# Altium PCB SVPX_FMC_6U_SOM.PcbDoc (part 6 of 9)
Units mm, origin at the board's own origin, x right, y up, seen from the top; angles counter-clockwise.
Board outline 160.38 x 233.53 mm, 10 copper layers (Top Layer, L1, P1, L2, P2, P3, L3, P4, L4, Bottom Layer), stack 1.749 mm thick; 649 components, 1262 nets, 4113 pads, 1924 vias.
Unrouted connection lines stored in the file: 1553.
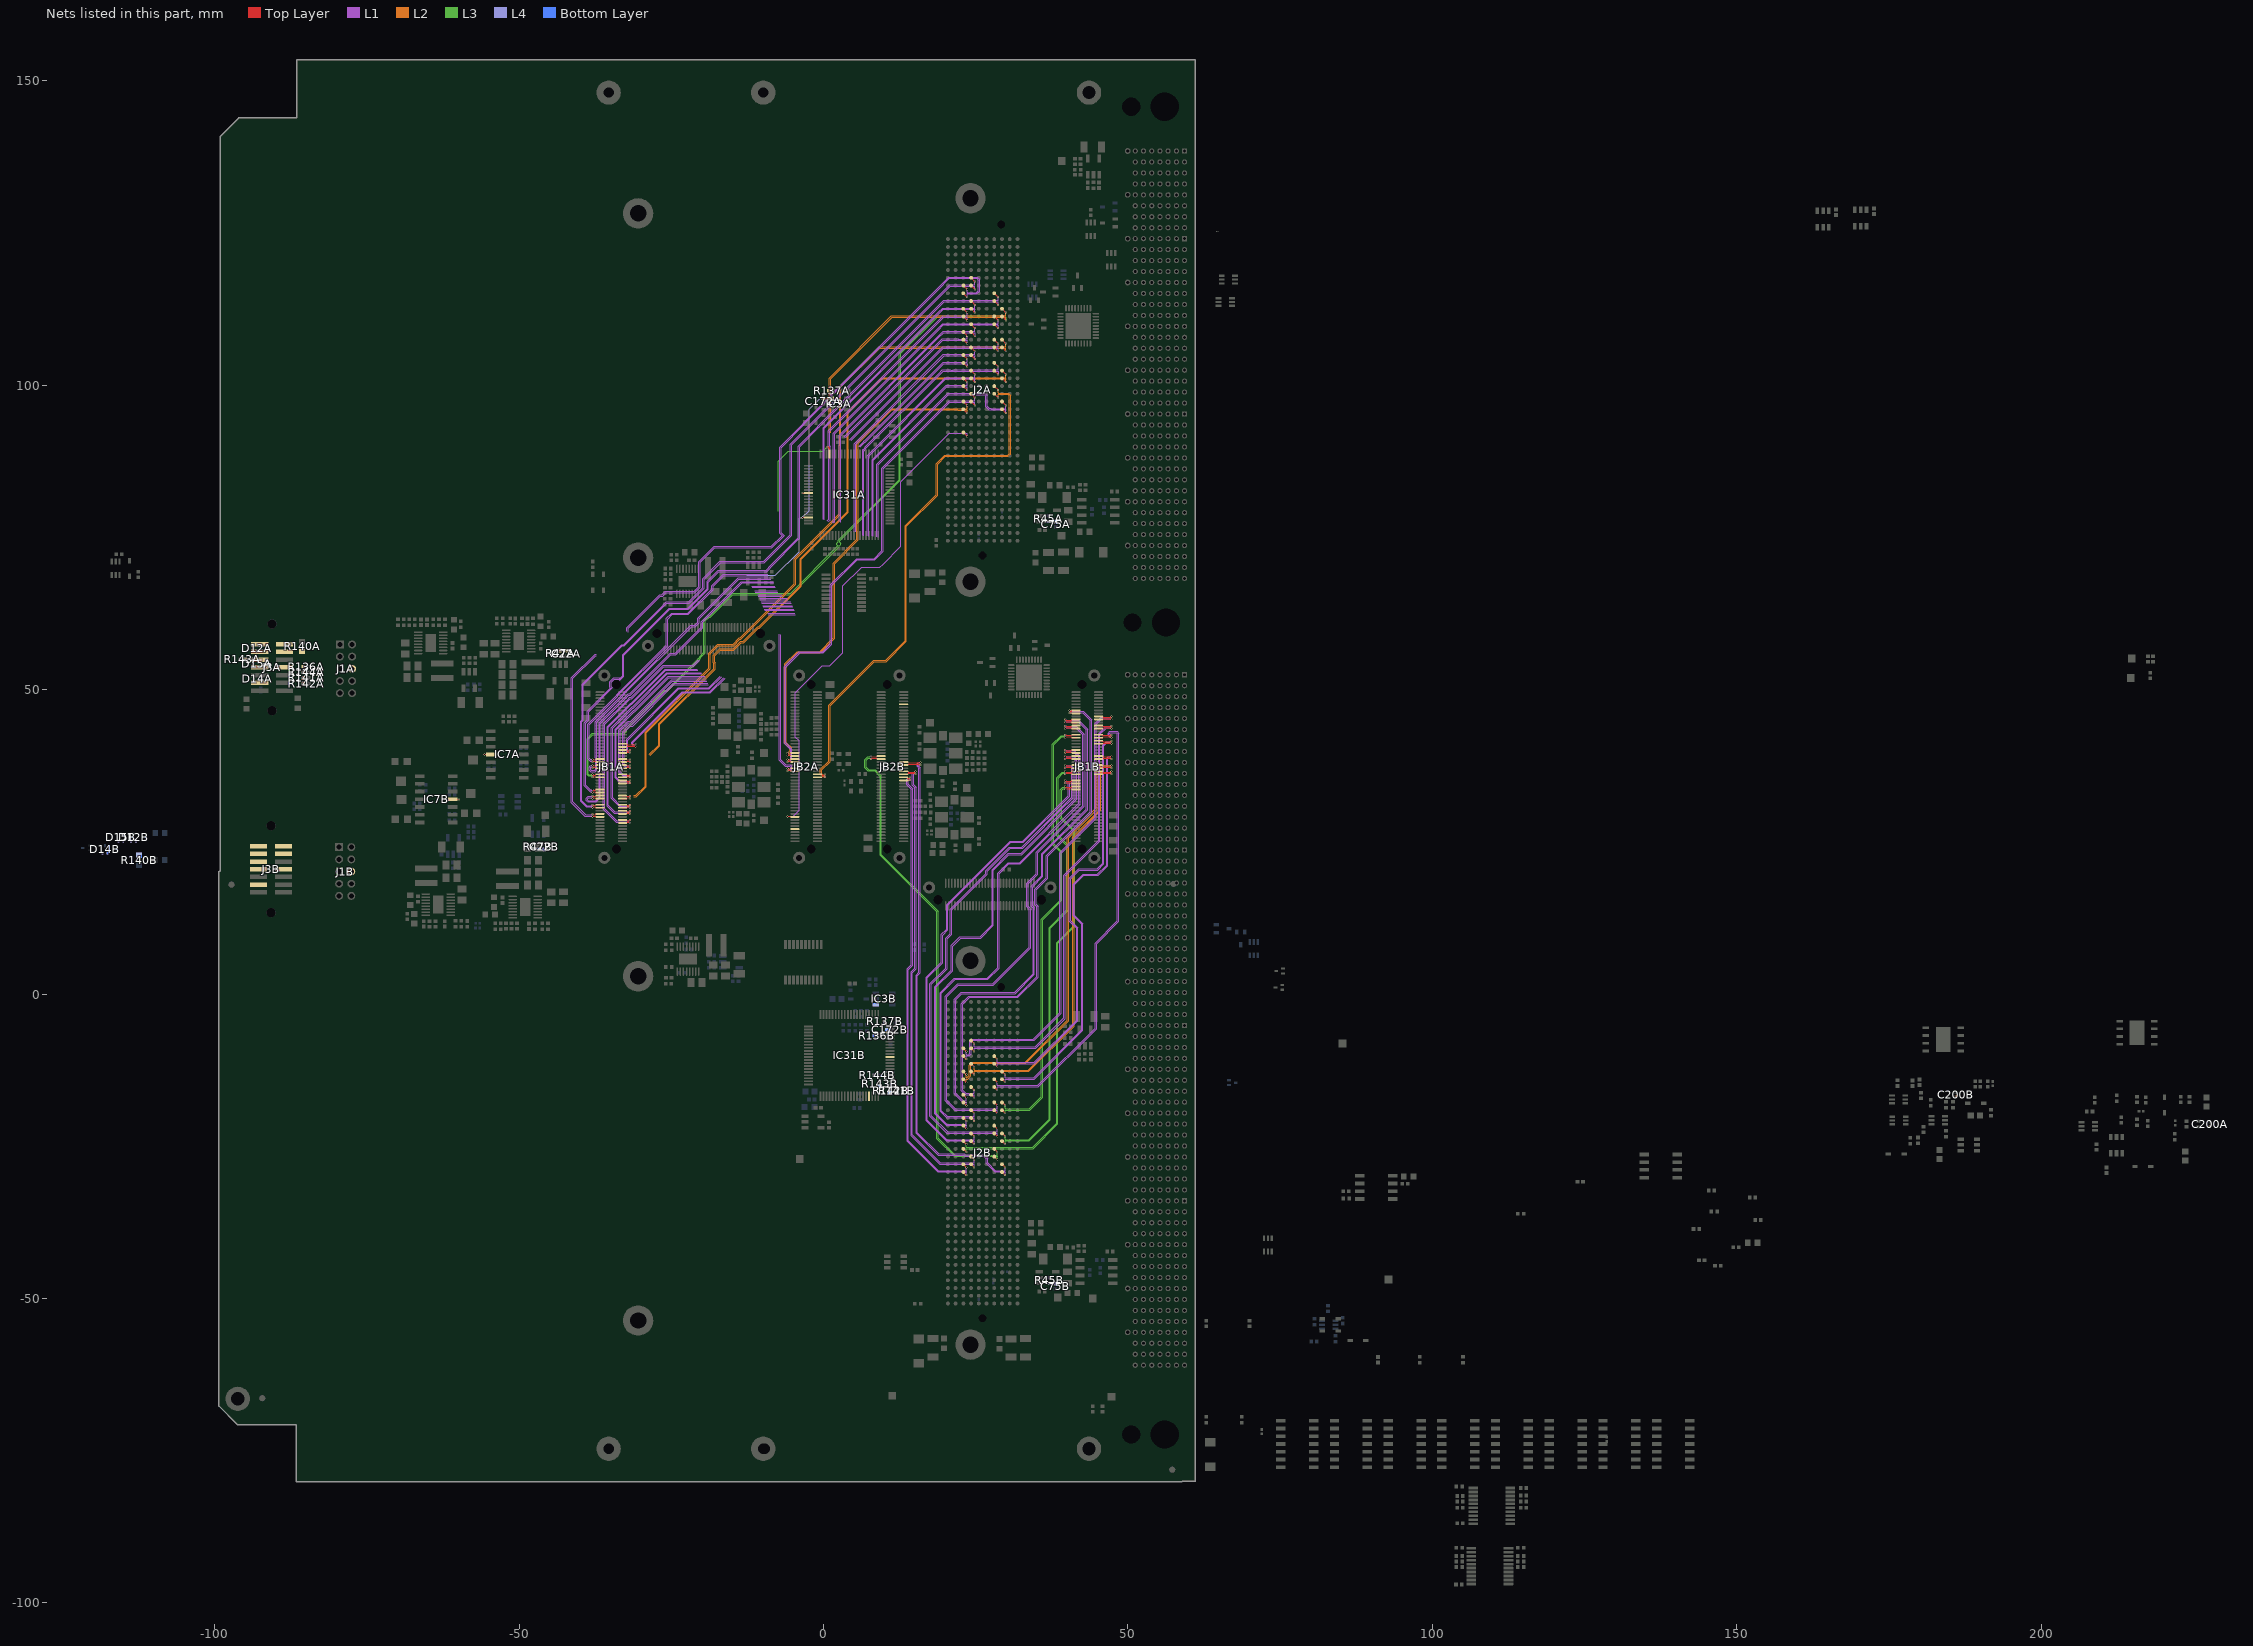
[diagram p14: the nets of this part, all layers, seen from the top]

## Via types
v1: diameter 0.32, hole 0.16, Top Layer to Bottom Layer, 654 vias
v2: diameter 0.6, hole 0.3, Top Layer to Bottom Layer, 398 vias
v3: diameter 1, hole 0.5, Top Layer to Bottom Layer, 314 vias
v4: diameter 0.3, hole 0.2, Top Layer to Bottom Layer, tented both sides, 270 vias
v5: diameter 0.6, hole 0.5, Top Layer to Bottom Layer, 248 vias
v6: diameter 0.5, hole 0.2, Top Layer to Bottom Layer, 18 vias
v7: diameter 0.3, hole 0.2, Top Layer to Bottom Layer, 18 vias
v8: diameter 0.4, hole 0.3, Top Layer to Bottom Layer, tented both sides, 4 vias

## Nets (pads, with @x,y where several pads share a name; then routed paths per layer and width w, separated by ;. In a path a pad name is that pad's centre, name@x,y a point inside that pad or via, vN(x,y) a via of type N, cw(c..) or ccw(c..) an arc to the next point about the centre after c; other vN are vias at no path point) (continued)
Imeas_P5V0A: C22A.2 IC7A.4 IC31A.17 R47A.1 | length 20.7
  Top Layer w0.127: v1(-55.702,39.345) -55.697,39.35 IC7A.4@-54.625,39.35 ; R47A.1@-43.231,56.426 -42.311,56.426 C22A.2@-42.266,56.381
  Top Layer w0.254: v1(0.559,89.789) 0.571,89.802 0.782,89.802 0.791,89.811 0.977,89.625 0.977,88.748 IC31A.17@1,88.725
  L3 w0.127: -7.442,79.273 -7.442,87.503 -5.766,89.179 -0.051,89.179 v1(0.559,89.789)
Imeas_P5V0B: C22B.2 IC7B.4 IC31B.17 R47B.1 | length 2.8
  Top Layer w0.127: IC7B.4@-60.925,31.989 -60.919,31.983 -59.897,31.983 v1(-59.893,31.979)
  Bottom Layer w0.127: R47B.1@-46.917,23.75 -45.898,23.75 C22B.2@-45.892,23.744 -45.232,23.744 v1(-45.212,23.724)
Imeas_P12V0A: C75A.2 IC31A.30 R45A.1 | length 1
  Top Layer w0.127: v1(-3.48,82.271) -3.475,82.275 IC31A.30@-2.45,82.275
Imeas_P12V0B: C75B.2 IC31B.30 R45B.1
JTAG.JTAG_REFA: C200A.1 J1A.6 JB2A.92
JTAG.JTAG_REFB: C200B.1 J1B.6 JB2B.92
JTAG_R\S\T\A: C172A.2 D14A.2 IC3A.1 IC31A.38 J3A.11 R137A.1 | length 42
  Top Layer w0.127: v1(-3.48,78.283) -3.476,78.279 -2.454,78.279 IC31A.38@-2.45,78.275 ; C172A.2@0,97.85 C172A.2@0.025,97.875 ; v1(0.025,98.425) C172A.2@0.025,97.875 ; R137A.1@0.905,99.1 0.943,99.062 0.943,98.116 IC3A.1@1.18,97.88 0.03,97.88 C172A.2@0.025,97.875
  L4 w0.127: -12.598,68.758 -7.899,68.758 -4.013,72.644 -4.013,78.08 -3.83,78.263 -3.5,78.263 v1(-3.48,78.283) -2.362,79.4 -2.362,96.037 v1(0.025,98.425)
JTAG_R\S\T\B: C172B.2 D14B.2 IC3B.1 IC31B.38 J3B.11 R137B.1
JTAG_TCKA: D15A.2 J3A.7 R144A.1
JTAG_TCKB: D15B.2 J3B.7 R144B.1
JTAG_TDIA: D12A.2 J3A.3 R142A.1
JTAG_TDIB: D12B.2 J3B.3 R142B.1
JTAG_TDO/TDIA: D12A.1 J3A.1 R141A.1
JTAG_TDO/TDIB: D12B.1 J3B.1 R141B.1
JTAG_TESTA: D14A.1 J3A.8 R136A.1
JTAG_TESTB: D14B.1 J3B.8 R136B.1
JTAG_TMSA: D15A.1 J3A.5 R143A.1
JTAG_TMSB: D15B.1 J3B.5 R143B.1
JTAG_VCC_TARGETA: J3A.4 R140A.1
JTAG_VCC_TARGETB: J3B.4 R140B.1
JTAG_VCC_TOOLA: J3A.2
JTAG_VCC_TOOLB: J3B.2
LA00_CCA_N: J2A.g7 JB1A.76 | length 125
  Top Layer w0.118: v1(-37.928,31.06) -37.874,31.06 -37.786,30.972 -37.46,30.972 -37.333,31.1 JB1A.76@-36.7,31.1 ; J2A.g7@24.24,116.371 v1(24.875,115.736)
  L1 w0.069: v1(-37.928,31.06) -37.994,31.06 -38.094,30.96 -38.85,30.96 -39.671,31.781 -39.671,44.723 -39.429,44.964 -39.429,50.773 -33.023,57.179 -32.745,57.179 -25.704,64.22 -22.015,64.22 -19.609,66.627 -19.609,68.143 -16.916,70.836 -9.725,70.836 -5.374,75.186 -5.368,75.186 -5.237,75.317 -5.237,75.323 -5.233,75.328 ; -1.585,93.838 20.839,116.261 24.835,116.261 24.875,116.221 v1(24.875,115.736)
  L1 w0.078: -5.233,75.328 -5.233,90.189 -1.585,93.838
LA00_CCA_P: J2A.g6 JB1A.78 | length 125.4
  Top Layer w0.118: -37.786,30.728 -37.46,30.728 -37.333,30.6 JB1A.78@-36.7,30.6 ; J2A.g6@24.24,117.641 v1(24.875,117.006)
  L1 w0.069: v1(-37.928,30.64) -37.994,30.64 -38.094,30.74 -38.941,30.74 -39.891,31.69 -39.891,44.813 -39.649,45.055 -39.649,50.863 -33.113,57.399 -32.836,57.399 -26.357,63.878 ; -26.292,63.942 -25.795,64.44 -22.106,64.44 -19.828,66.718 -19.828,68.234 -17.007,71.055 -9.816,71.055 -5.461,75.41 ; -1.807,93.926 20.748,116.481 24.835,116.481 24.875,116.522 v1(24.875,117.006)
  L1 w0.078: -5.461,75.41 -5.461,90.284 -1.813,93.932
LA00_CCB_N: J2B.g7 JB1B.76 | length 71.8
  Top Layer w0.118: J2B.g7@24.24,-8.908 v4(24.74,-9.408) ; JB1B.76@45.175,43.6 45.808,43.6 45.935,43.728 47.152,43.728 47.24,43.64 v1(47.295,43.64)
  L1 w0.069: v4(24.74,-9.408) 24.74,-8.923 24.781,-8.883 34.836,-8.883 39.7,-4.019 39.7,19.431 45.406,25.137 45.406,42.632 46.514,43.74 47.129,43.74 47.229,43.64 v1(47.295,43.64)
LA00_CCB_P: J2B.g6 JB1B.78 | length 71.8
  Top Layer w0.118: J2B.g6@24.24,-7.638 v4(24.74,-8.138) ; JB1B.78@45.175,44.1 45.808,44.1 45.935,43.972 47.152,43.972 47.24,44.06 v1(47.295,44.06)
  L1 w0.069: v4(24.74,-8.138) 24.74,-8.622 24.781,-8.663 34.746,-8.663 39.481,-3.928 39.481,19.522 45.187,25.228 45.187,42.723 46.423,43.96 47.129,43.96 47.229,44.06 v1(47.295,44.06)
LA01_CCA_N: J2A.d9 JB1A.66 | length 124.3
  Top Layer w0.118: v1(-37.928,33.56) -37.874,33.56 -37.786,33.472 -37.46,33.472 -37.333,33.6 JB1A.66@-36.7,33.6 ; J2A.d9@28.05,113.831 v1(28.685,113.196)
  L1 w0.069: v1(-37.928,33.56) -37.994,33.56 -38.094,33.46 -38.25,33.46 -39.082,34.292 -39.082,44.479 -38.575,44.986 -38.575,46.382 -34.662,50.296 -34.86,50.494 -34.86,51.206 -34.356,51.71 -33.644,51.71 -33.446,51.512 -32.781,52.177 -32.781,55.619 -25.225,63.175 -22.228,63.175 -18.898,66.505 -18.898,67.677 -17.177,69.397 -9.328,69.397 -8.778,69.946 -8.778,70.004 -4.111,74.671 -4.047,74.671 -3.912,74.806 -3.912,74.813 ; -0.725,93.079 -0.725,93.173 19.823,113.721 28.645,113.721 28.685,113.681 v1(28.685,113.196)
  L1 w0.078: -3.912,74.813 -3.912,89.91 -0.743,93.079 -0.725,93.079
LA01_CCA_P: J2A.d8 JB1A.68 | length 124.9
  Top Layer w0.118: v1(-37.928,33.14) -37.874,33.14 -37.786,33.228 -37.46,33.228 -37.333,33.1 JB1A.68@-36.7,33.1 ; J2A.d8@28.05,115.101 v1(28.685,114.466)
  L1 w0.069: v1(-37.928,33.14) -37.994,33.14 -38.094,33.24 -38.341,33.24 -39.302,34.201 -39.302,44.57 -38.794,45.077 -38.794,46.473 -34.972,50.296 -35.079,50.403 -35.079,51.297 -34.447,51.929 -33.553,51.929 -33.446,51.822 -33,52.268 -33,55.71 -25.316,63.394 -22.319,63.394 -19.117,66.596 -19.117,67.767 -17.268,69.616 -9.418,69.616 -8.998,70.037 -8.998,70.095 -4.202,74.89 -4.145,74.89 -4.14,74.895 ; -0.944,93.218 -0.944,93.264 19.732,113.941 28.645,113.941 28.685,113.982 v1(28.685,114.466)
  L1 w0.078: -4.14,74.895 -4.14,90.004 -0.944,93.2 -0.944,93.218
LA01_CCB_N: J2B.d9 JB1B.66 | length 70.7
  Top Layer w0.118: J2B.d9@28.05,-11.448 v4(28.55,-11.948) ; JB1B.66@45.175,41.1 45.808,41.1 45.935,41.228 47.152,41.228 47.24,41.14 v1(47.295,41.14)
  L1 w0.069: v4(28.55,-11.948) 28.55,-11.463 28.591,-11.423 34.735,-11.423 41.774,-4.384 41.774,10.886 40.61,12.05 40.61,18.944 42.037,20.371 45.014,20.371 46.066,21.423 46.066,40.803 46.504,41.24 47.129,41.24 47.229,41.14 v1(47.295,41.14)
LA01_CCB_P: J2B.d8 JB1B.68 | length 70.7
  Top Layer w0.118: J2B.d8@28.05,-10.178 v4(28.55,-10.678) ; JB1B.68@45.175,41.6 45.808,41.6 45.935,41.472 47.152,41.472 47.24,41.56 v1(47.295,41.56)
  L1 w0.069: v4(28.55,-10.678) 28.55,-11.162 28.591,-11.203 34.644,-11.203 41.554,-4.293 41.554,10.795 40.39,11.959 40.39,19.035 41.946,20.59 44.923,20.59 45.847,21.514 45.847,40.894 46.413,41.46 47.129,41.46 47.229,41.56 v1(47.295,41.56)
LA02A_N: J2A.h8 JB1A.82 | length 130.8
  Top Layer w0.118: v1(-37.928,29.56) -37.874,29.56 -37.786,29.472 -37.46,29.472 -37.333,29.6 JB1A.82@-36.7,29.6 ; J2A.h8@22.97,115.101 v1(23.605,114.466)
  L1 w0.069: v1(-37.928,29.56) -37.994,29.56 -38.094,29.46 -39.085,29.46 -41.173,31.548 -41.173,51.852 -37.425,55.6 -37.325,55.6 ; -32.28,59.63 -32.28,60.174 -26.899,65.555 -26.528,65.555 -25.958,66.125 -21.254,66.125 -20.489,66.89 -20.489,71.028 -17.975,73.541 -8.552,73.541 ; -3.35,93.704 -3.345,93.709 -3.345,93.774 -0.239,96.88 -0.239,96.932 18.925,116.096 20.598,117.769 25.249,117.769 25.655,117.364 25.655,115.945 25.651,115.941 25.651,115.44 25.202,114.991 23.646,114.991 23.605,114.951 v1(23.605,114.466)
  L1 w0.078: -8.552,73.541 -6.795,75.298 -6.819,75.322 -6.826,75.322 -6.959,75.455 -6.959,75.462 -7.048,75.55 -7.054,75.55 -7.188,75.684 -7.188,89.813 -3.35,93.651 -3.35,93.704 -3.35,93.716
LA02A_P: J2A.h7 JB1A.84 | length 130.7
  Top Layer w0.118: v1(-37.928,29.14) -37.874,29.14 -37.786,29.228 -37.46,29.228 -37.333,29.1 JB1A.84@-36.7,29.1 ; J2A.h7@22.97,116.371 v1(23.605,115.736)
  L1 w0.069: v1(-37.928,29.14) -37.994,29.14 -38.094,29.24 -39.176,29.24 -41.393,31.457 -41.393,51.943 -37.516,55.819 -37.325,55.819 ; -32.125,59.475 -32.061,59.539 -32.061,60.084 -26.809,65.336 -26.437,65.336 -25.867,65.906 -21.163,65.906 -20.269,66.799 -20.269,70.937 -17.884,73.322 -8.649,73.322 -8.644,73.317 -8.459,73.317 -6.482,75.294 -6.482,75.301 -6.96,75.779 ; -3.121,93.622 -3.125,93.625 -3.125,93.683 -0.019,96.789 -0.019,96.841 18.925,115.786 20.689,117.55 25.158,117.55 25.435,117.273 25.435,116.036 25.431,116.032 25.431,115.531 25.111,115.211 23.646,115.211 23.605,115.252 v1(23.605,115.736)
  L1 w0.078: -6.96,75.779 -6.96,89.719 -3.121,93.557 -3.121,93.622
LA02B_N: J2B.h8 JB1B.82 | length 75.8
  Top Layer w0.118: J2B.h8@22.97,-10.178 v4(23.47,-10.678) ; JB1B.82@45.175,45.1 45.808,45.1 45.935,45.228 47.152,45.228 47.24,45.14 v1(47.295,45.14)
  L1 w0.069: v4(23.47,-10.678) 23.47,-10.193 23.511,-10.153 23.914,-10.153 24.256,-9.811 24.256,-7.917 24.553,-7.62 34.575,-7.62 39.014,-3.181 39.014,23.139 44.771,28.896 44.771,44.288 45.723,45.24 47.129,45.24 47.229,45.14 v1(47.295,45.14)
LA02B_P: J2B.h7 JB1B.84 | length 75.8
  Top Layer w0.118: J2B.h7@22.97,-8.908 v4(23.47,-9.408) ; JB1B.84@45.175,45.6 45.808,45.6 45.935,45.472 47.152,45.472 47.24,45.56 v1(47.295,45.56)
  L1 w0.069: v4(23.47,-9.408) 23.47,-9.892 23.511,-9.933 23.824,-9.933 24.036,-9.72 24.036,-7.826 24.462,-7.401 34.484,-7.401 38.795,-3.09 38.795,23.23 44.552,28.987 44.552,44.379 45.632,45.46 47.129,45.46 47.229,45.56 v1(47.295,45.56)
LA03A_N: J2A.g10 JB1A.46 | length 99.3
  Top Layer w0.118: v1(-37.928,38.56) -37.874,38.56 -37.786,38.472 -37.46,38.472 -37.333,38.6 JB1A.46@-36.7,38.6 ; J2A.g10@24.24,112.561 v1(24.875,111.926)
  L1 w0.069: v1(-37.928,38.56) -37.996,38.56 -38.097,38.46 -38.221,38.46 -38.493,38.731 -38.493,44.235 -33.774,48.954 -33.774,49.06 -25.6,57.235 -25.6,61.599 -24.832,62.366 -22.204,62.366 -18.14,66.43 -18.14,66.97 -16.394,68.716 -9.038,68.716 ; 0.144,77.899 0.144,92.941 18.925,111.722 19.655,112.451 24.835,112.451 24.875,112.411 v1(24.875,111.926)
LA03A_P: J2A.g9 JB1A.48 | length 100.2
  Top Layer w0.118: v1(-37.928,38.14) -37.874,38.14 -37.786,38.228 -37.46,38.228 -37.333,38.1 JB1A.48@-36.7,38.1 ; J2A.g9@24.24,113.831 v1(24.875,113.196)
  L1 w0.069: v1(-37.928,38.14) -37.994,38.14 -38.094,38.24 -38.312,38.24 -38.713,38.64 -38.713,44.326 -33.995,49.043 -33.995,49.15 -25.819,57.326 -25.819,61.69 -24.923,62.586 -22.295,62.586 -18.359,66.521 -18.359,67.061 -16.485,68.936 -9.129,68.936 ; -0.075,77.99 -0.075,93.032 18.925,112.032 19.564,112.671 24.835,112.671 24.875,112.712 v1(24.875,113.196)
LA03B_N: J2B.g10 JB1B.46 | length 68
  Top Layer w0.118: J2B.g10@24.24,-12.718 v4(24.74,-13.218) ; JB1B.46@45.175,36.1 45.808,36.1 45.935,36.228 47.152,36.228 47.24,36.14 v1(47.295,36.14)
  L2 w0.069: v4(24.74,-13.218) 24.74,-12.733 24.781,-12.692 33.744,-12.692 41.164,-5.272 41.164,25.752 45.562,30.151 45.562,36.177 45.626,36.24 47.129,36.24 47.229,36.14 v1(47.295,36.14)
LA03B_P: J2B.g9 JB1B.48 | length 68
  Top Layer w0.118: J2B.g9@24.24,-11.448 v4(24.74,-11.948) ; JB1B.48@45.175,36.6 45.808,36.6 45.935,36.472 47.152,36.472 47.24,36.56 v1(47.295,36.56)
  L2 w0.069: v4(24.74,-11.948) 24.74,-12.433 24.781,-12.473 33.653,-12.473 40.945,-5.182 40.945,25.843 45.343,30.241 45.343,36.268 45.535,36.46 47.129,36.46 47.229,36.56 v1(47.295,36.56)
LA04A_N: J2A.h11 JB1A.50 | length 97.2
  Top Layer w0.118: v1(-37.928,37.56) -37.874,37.56 -37.786,37.472 -37.46,37.472 -37.333,37.6 JB1A.50@-36.7,37.6 ; J2A.h11@22.97,111.291 v1(23.605,110.656)
  L1 w0.069: v1(-37.928,37.56) -37.994,37.56 -38.094,37.46 -38.284,37.46 -38.453,37.29 -38.453,36.761 -38.246,36.555 -37.512,36.555 -37.214,36.852 -37.214,38.856 -37.275,38.916 -37.275,44.62 -33.223,48.672 -33.223,48.692 -32.616,49.299 -32.616,49.385 -21.671,60.331 -21.049,60.331 -20.425,60.954 -20.425,61.617 -13.918,68.124 -8.66,68.124 ; 0.85,77.634 1.073,77.857 1.073,90.002 1.026,90.049 1.026,92.468 18.925,110.367 19.739,111.181 23.565,111.181 23.605,111.141 v1(23.605,110.656)
LA04A_P: J2A.h10 JB1A.52 | length 96.7
  Top Layer w0.118: v1(-37.928,37.14) -37.874,37.14 -37.786,37.228 -37.46,37.228 -37.333,37.1 JB1A.52@-36.7,37.1 ; J2A.h10@22.97,112.561 v1(23.605,111.926)
  L1 w0.069: v1(-37.928,37.14) -37.994,37.14 -38.094,37.24 -38.193,37.24 -38.233,37.2 -38.233,36.852 -38.155,36.774 -37.603,36.774 -37.434,36.943 -37.434,38.765 -37.494,38.825 -37.494,44.711 -33.442,48.763 -33.442,48.783 -32.836,49.39 -32.836,49.476 -21.762,60.55 -21.14,60.55 -20.645,61.045 -20.645,61.708 -14.009,68.343 -8.751,68.343 ; 0.631,77.725 0.854,77.948 0.854,89.911 0.807,89.958 0.807,92.559 18.925,110.678 19.648,111.401 23.565,111.401 23.605,111.442 v1(23.605,111.926)
LA04B_N: J2B.h11 JB1B.50 | length 70.7
  Top Layer w0.118: J2B.h11@22.97,-13.988 v4(23.47,-14.488) ; JB1B.50@45.175,37.1 45.808,37.1 45.935,37.228 47.152,37.228 47.24,37.14 v1(47.295,37.14)
  L2 w0.069: v4(23.47,-14.488) 23.47,-14.003 23.511,-13.962 23.659,-13.962 24.197,-13.425 24.197,-11.806 24.621,-11.382 33.251,-11.382 40.259,-4.374 40.259,25.679 44.974,30.394 44.974,36.589 45.625,37.24 47.129,37.24 47.229,37.14 v1(47.295,37.14)
LA04B_P: J2B.h10 JB1B.52 | length 70.7
  Top Layer w0.118: J2B.h10@22.97,-12.718 v4(23.47,-13.218) ; JB1B.52@45.175,37.6 45.808,37.6 45.935,37.472 47.152,37.472 47.24,37.56 v1(47.295,37.56)
  L2 w0.069: v4(23.47,-13.218) 23.47,-13.703 23.511,-13.743 23.568,-13.743 23.978,-13.334 23.978,-11.715 24.531,-11.162 33.161,-11.162 40.04,-4.283 40.04,25.77 44.755,30.485 44.755,36.68 45.535,37.46 47.129,37.46 47.229,37.56 v1(47.295,37.56)
LA05A_N: J2A.d12 JB1A.70 | length 106.7
  Top Layer w0.118: v1(-37.928,32.56) -37.874,32.56 -37.786,32.472 -37.46,32.472 -37.333,32.6 JB1A.70@-36.7,32.6 ; J2A.d12@28.05,110.021 v1(28.685,109.386)
  L1 w0.069: v1(-37.928,32.56) -37.994,32.56 -38.094,32.46 -38.64,32.46 -38.938,32.162 -38.938,31.775 -38.718,31.555 -37.324,31.555 -36.625,32.254 -36.625,44.437 -32.634,48.428 -32.634,48.448 -31.99,49.092 -31.766,49.092 -28.401,52.456 ; -28.401,52.457 -25.114,55.745 -24.229,55.745 -19.836,60.138 -19.836,61.082 -13.384,67.535 -8.182,67.535 ; 1.675,77.392 1.839,77.556 1.839,92.045 18.925,109.131 19.706,109.911 28.645,109.911 28.685,109.871 v1(28.685,109.386)
LA05A_P: J2A.d11 JB1A.72 | length 106.2
  Top Layer w0.118: v1(-37.928,32.14) -37.874,32.14 -37.786,32.228 -37.46,32.228 -37.333,32.1 JB1A.72@-36.7,32.1 ; J2A.d11@28.05,111.291 v1(28.685,110.656)
  L1 w0.069: v1(-37.928,32.14) -37.994,32.14 -38.094,32.24 -38.55,32.24 -38.719,32.071 -38.719,31.866 -38.627,31.774 -37.415,31.774 -36.845,32.345 -36.845,44.528 -32.853,48.519 -32.853,48.539 -32.081,49.311 -31.857,49.311 -28.621,52.547 ; -28.621,52.548 -25.205,55.964 -24.32,55.964 -20.056,60.229 -20.056,61.173 -13.475,67.754 -8.273,67.754 ; 1.456,77.483 1.619,77.647 1.619,92.136 18.925,109.441 19.615,110.131 28.645,110.131 28.685,110.172 v1(28.685,110.656)
LA05B_N: J2B.d12 JB1B.70 | length 76.8
  Top Layer w0.118: J2B.d12@28.05,-15.258 v4(28.55,-15.758) ; JB1B.70@45.175,42.1 45.808,42.1 45.935,42.228 47.152,42.228 47.24,42.14 v1(47.295,42.14)
  L1 w0.069: v4(28.55,-15.758) 28.55,-15.273 28.591,-15.233 35.294,-15.233 44.847,-5.679 44.847,8.282 48.505,11.94 48.505,42.865 48.224,43.145 47.026,43.145 46.745,42.864 46.745,42.42 46.924,42.24 47.129,42.24 47.229,42.14 v1(47.295,42.14)
LA05B_P: J2B.d11 JB1B.72 | length 75.4
  Top Layer w0.118: J2B.d11@28.05,-13.988 v4(28.55,-14.488) ; JB1B.72@45.175,42.6 45.808,42.6 45.935,42.472 47.152,42.472 47.24,42.56 v1(47.295,42.56)
  L1 w0.069: v4(28.55,-14.488) 28.55,-14.972 28.591,-15.013 35.203,-15.013 44.628,-5.588 44.628,8.373 48.285,12.031 48.285,42.774 48.133,42.926 47.117,42.926 46.965,42.773 46.965,42.511 47.015,42.46 47.129,42.46 47.229,42.56 v1(47.295,42.56)
LA06A_N: J2A.c11 JB1A.56 | length 165
  Top Layer w0.118: v1(-37.928,36.06) -37.874,36.06 -37.786,35.972 -37.46,35.972 -37.333,36.1 JB1A.56@-36.7,36.1 ; J2A.c11@29.32,111.291 v1(29.955,110.656)
  L3 w0.078: v1(-37.928,36.06) -37.994,36.06 -38.09,35.964 -38.453,35.964 -38.608,36.119 -38.608,41.859 -37.871,42.597 -32.898,42.597 -32.306,43.189 -32.306,43.479 -26.084,49.701 -25.661,49.701 -20.365,54.997 -20.365,55.014 -20.124,55.255 -20.124,55.331 -19.4,56.055 -19.4,61.312 -18.785,61.927 -18.565,61.927 -14.884,65.609 -5.286,65.609 2.603,73.498 2.603,73.605 2.813,73.816 2.813,74.063 2.66,74.216 2.66,74.432 12.63,84.401 12.63,93.775 12.691,93.836 12.691,105.224 18.644,111.177 29.91,111.177 29.955,111.132 v1(29.955,110.656)
  L2 w0.069: 1.168,92.151 1.168,101.092 11.258,111.182 29.915,111.182 29.955,111.141 v1(29.955,110.656)
LA06A_P: J2A.c10 JB1A.58 | length 166.2
  Top Layer w0.118: v1(-37.928,35.64) -37.874,35.64 -37.786,35.728 -37.46,35.728 -37.333,35.6 JB1A.58@-36.7,35.6 ; J2A.c10@29.32,112.561 v1(29.955,111.926)
  L3 w0.078: v1(-37.928,35.64) -37.994,35.64 -38.09,35.736 -38.547,35.736 -38.836,36.024 -38.836,41.954 -37.965,42.824 -32.993,42.824 -32.533,43.284 -32.533,43.573 -26.178,49.928 -25.756,49.928 -20.593,55.091 -20.593,55.149 -20.577,55.149 -20.552,55.175 -20.526,55.175 -20.351,55.35 -20.351,55.425 -19.627,56.149 -19.627,61.407 -18.879,62.155 -18.66,62.155 -14.978,65.837 -5.38,65.837 2.375,73.592 2.375,73.656 2.216,73.816 2.216,74.063 2.433,74.28 2.433,74.526 12.402,84.495 12.402,93.869 12.463,93.93 12.463,105.319 18.549,111.405 29.91,111.405 29.955,111.451 v1(29.955,111.926)
  L2 w0.069: 0.949,92.151 0.949,101.183 11.167,111.401 29.915,111.401 29.955,111.441 v1(29.955,111.926)
LA06B_N: J2B.c11 JB1B.56 | length 69
  Top Layer w0.118: J2B.c11@29.32,-13.988 v4(29.82,-14.488) ; JB1B.56@45.175,38.6 45.808,38.6 45.935,38.728 47.152,38.728 47.24,38.64 v1(47.295,38.64)
  L1 w0.069: v4(29.82,-14.488) 29.82,-14.003 29.861,-13.963 34.582,-13.963 42.612,-5.933 42.612,11.536 41.199,12.949 41.199,17.958 42.723,19.482 45.091,19.482 46.701,21.093 46.701,38.616 46.825,38.74 47.129,38.74 47.229,38.64 v1(47.295,38.64)
LA06B_P: J2B.c10 JB1B.58 | length 69
  Top Layer w0.118: J2B.c10@29.32,-12.718 v4(29.82,-13.218) ; JB1B.58@45.175,39.1 45.808,39.1 45.935,38.972 47.152,38.972 47.24,39.06 v1(47.295,39.06)
  L1 w0.069: v4(29.82,-13.218) 29.82,-13.702 29.861,-13.743 34.492,-13.743 42.393,-5.842 42.393,11.445 40.979,12.858 40.979,18.049 42.632,19.701 45,19.701 46.482,21.184 46.482,38.707 46.734,38.96 47.129,38.96 47.229,39.06 v1(47.295,39.06)
LA07A_N: J2A.h14 JB1A.79 | length 68.3
  Top Layer w0.118: JB1A.79@-33,30.1 -32.367,30.1 -32.24,29.972 -31.942,29.972 -31.855,30.06 v1(-31.8,30.06) ; J2A.h14@22.97,107.481 v1(23.605,106.846)
  L1 w0.069: v1(-31.8,30.06) -31.866,30.06 -31.966,29.96 -32.363,29.96 -32.394,29.928 -34.272,29.928 -35.315,30.972 -35.315,43.795 -31.542,47.568 -31.504,47.568 -25.907,53.165 -20.667,53.165 ; -11.187,66.024 -7.535,66.024 ; 3.661,91.413 19.62,107.371 22.025,107.371 22.03,107.366 22.925,107.366 22.93,107.371 23.565,107.371 23.605,107.331 v1(23.605,106.846)
LA07A_P: J2A.h13 JB1A.81 | length 69.2
  Top Layer w0.118: JB1A.81@-33,29.6 -32.367,29.6 -32.24,29.728 -31.942,29.728 -31.855,29.64 v1(-31.8,29.64) ; J2A.h13@22.97,108.751 v1(23.605,108.116)
  L1 w0.069: v1(-31.8,29.64) -31.866,29.64 -31.966,29.74 -32.272,29.74 -32.303,29.709 -34.363,29.709 -35.535,30.881 -35.535,43.886 -31.633,47.787 -31.595,47.787 -25.998,53.385 -20.758,53.385 ; -11.278,66.243 -7.626,66.243 ; 3.442,91.504 19.529,107.591 22.116,107.591 22.121,107.586 22.834,107.586 22.839,107.591 23.565,107.591 23.605,107.632 v1(23.605,108.116)